# Altium PCB AVCI_Mk1.PcbDoc (part 2 of 4)
Units mm, origin at the board's own origin, x right, y up, seen from the top; angles counter-clockwise.
Board outline 166.62 x 63.88 mm, 4 copper layers (Top Layer, GND, Power, Bottom Layer), stack 1.586 mm thick; 240 components, 214 nets, 1045 pads, 618 vias.
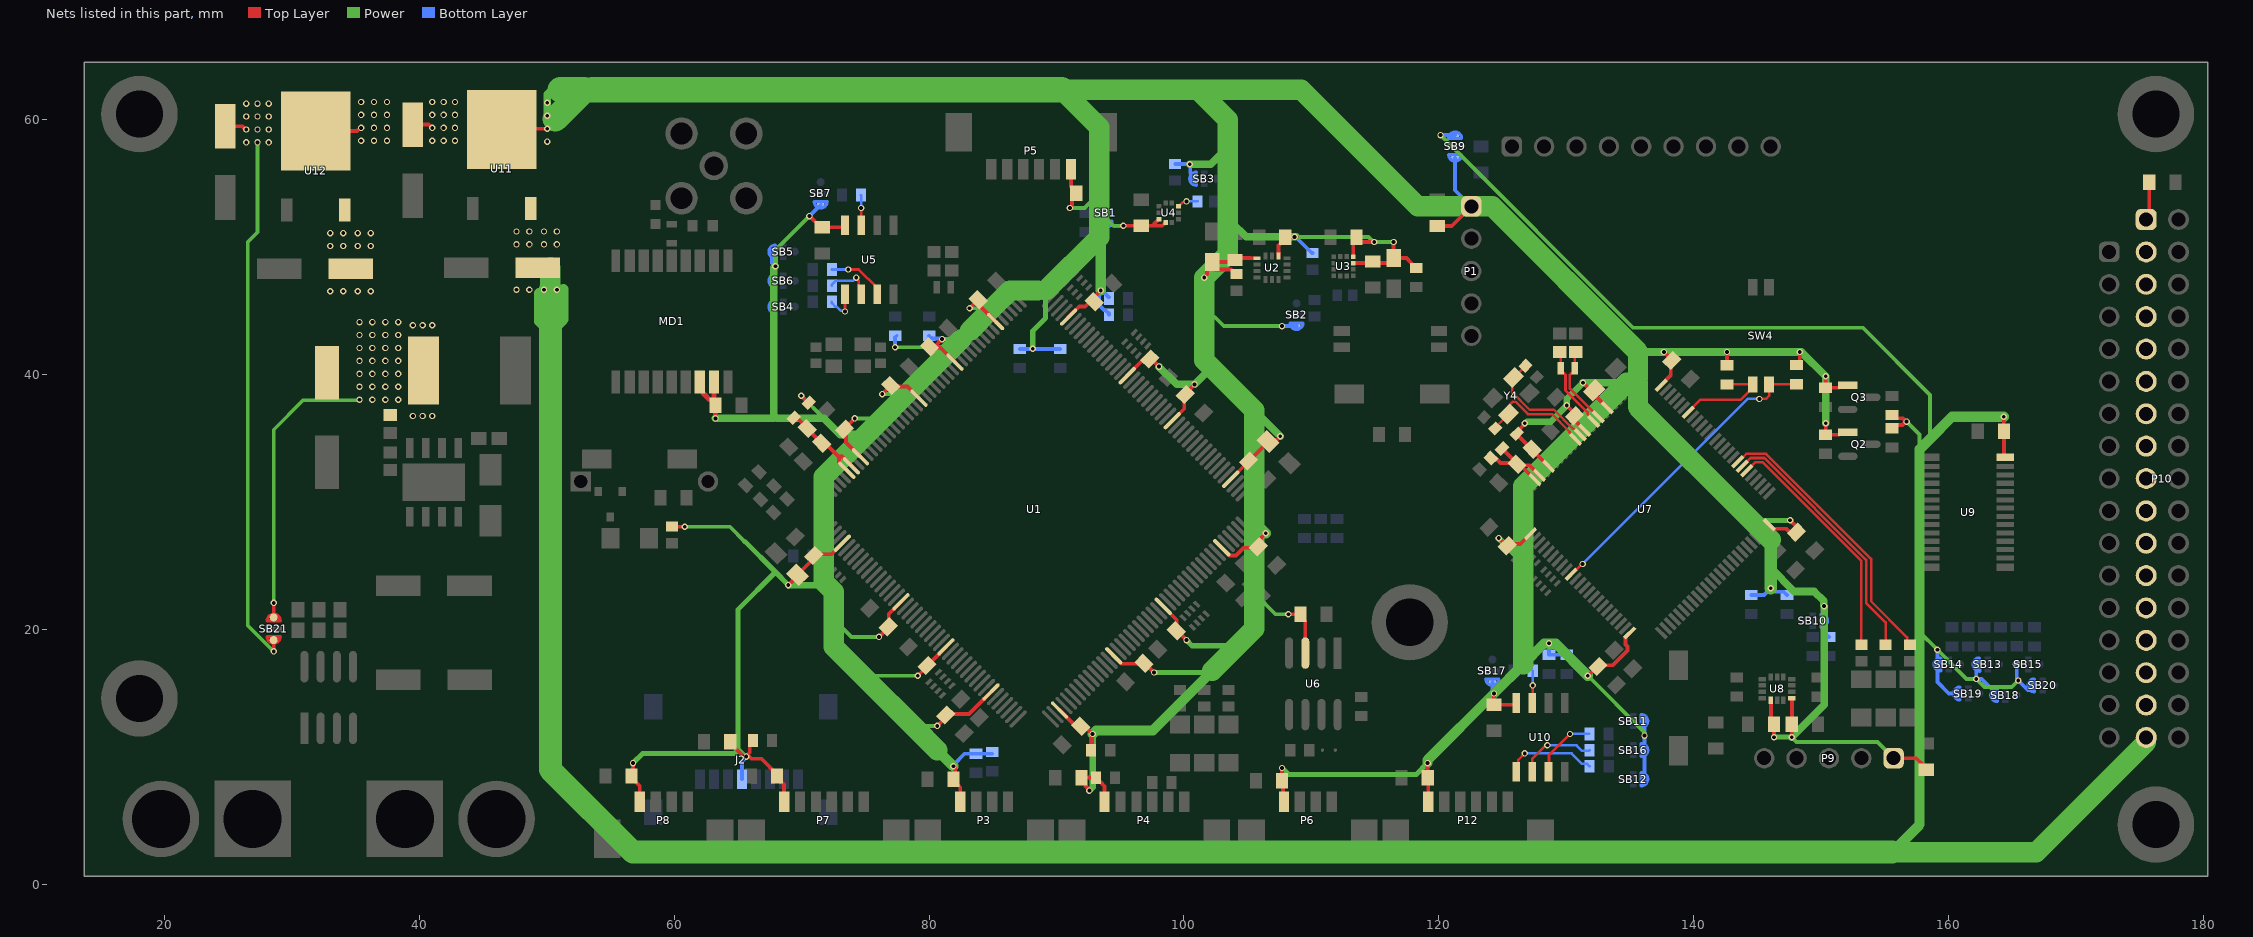
[diagram p4: the nets of this part, all layers, seen from the top]

## Footprints (in the part's own frame and the unit in brackets; to place one, negate y for a bottom-side part, rotate by r counter-clockwise, add the part's x,y. Pads: shape width x height; smd on the part's side, far side on the other; paste and mask are expansions set on the pad) (continued)
WE-LHMI_8040 [mm] "SMT Power Inductor, 2-Leads, body 9.2x8.5mm"
  rect 2.42x5.33 smd: 1(-3.62,0) 2(3.62,0)
  Top Layer keep-out region: -2.31,4.25 2.31,4.25 2.31,-4.25 -2.31,-4.25
  silkscreen extent -5.84,-4.25 4.6,4.25, body extent -4.72,-4.1 4.73,4.1, height 4
WE-MK_0603_L1.6W0.8H0.8 [mm] "SMD Multilayer Ceramic Inductor, body 1.60x0.80mm"
  rect 0.8x0.9 smd: 1(-0.8,0) 2(0.8,0)
  body extent -0.8,-0.4 0.8,0.4, height 0.8
WL-SMCW_1206_150120xx75000 [mm] "SMD Mono-color Chip LED, body 3.2x1.6mm"
  rect 1.4x1.6 smd: 1(-1.5,0) 2(1.5,0)
  silkscreen extent -1.52,-5.08 -1.02,-4.88, body extent -1.6,-0.8 1.6,0.8, height 0.68
WRIS-KSKE_0603_L1.6W0.8H0.45 [mm] "Thick Film Resistors, SMT, body size 1.6x0.8mm"
  rect 0.5x0.8 smd: 1(-0.75,0) 2(0.75,0)
  body extent -0.8,-0.4 0.8,0.4, height 0.45

## Part data
BT1: library part CMP-05417-000010-1, "BATTERY LITHIUM 3V COIN 12.5MM", Manufacturer=Panasonic, Temperature="-30°C to +60°C", Temperature Range High=+60°C, Temperature Range Low=-30°C, Automotive=No, Category=Batt, ComponentLink2Description=Datasheet, ComponentLink2URL=https://industrial.panasonic.com/cdbs/www-data/pdf2/AAA4000/AAA4000D138.PDF, Device Class L1="Passive Components", Device Class L2=unset, Device Class L3=unset, Digikey Description="BATTERY LITHIUM 3V COIN 12.5MM", Height=5.5mm, Manufacturer Part Number=CR-1220/HFN, Mouser Description="CR1220 Series Ø 12.5 mm 3 V 35 mAh Non-Rechargeable Lithium Coin Cell Battery", Octopart=https://octopart.com/cr-1220%2Fhfn-panasonic-13183313, Package=CR-1220/HFN, Standoff Height=2.9mm
C1 C2 C57 C58: library part CMP-2006-02592-1, Manufacturer=Murata, Part Number=GRM1885C1H100JA01D
C3 C4 C7 C50 C51: library part CMP-2000-07546-2, "Cap Ceramic 100nF 50V X7R 10% Pad SMD 0603 +125°C Automotive T/R", Capacitance=100nF, Case Code (Metric)=1608, Case Code (Imperial)=0603, Dielectric=X7R, Max Operating Temperature=125°C, Min Operating Temperature=-55°C, Package Quantity=1, Ratings=AEC-Q200, Tolerance=10%, Voltage=50V, Case/Package=0603, Composition=Ceramic, Depth=0.8mm, Height=0.8mm, Lead Free="Lead Free", Length=1.6mm, Mount="Surface Mount", Packaging="Tape and Reel", Radiation Hardening=No, REACH SVHC="No SVHC", Termination=SMD/SMT, Thickness=0.035inch, Voltage Rating=50V, Voltage Rating (DC)=50V, Weight=7.1E-05oz, Width=0.8mm
C5 C6 C11 C12 C13 C14 C15 C16 C17 C18 C19 C21 C22 C23 C24 C25 C26 C27 C31 C32 C33 C34 C35 C36 C37 C39 C40 C41 C42 C43 C44 C45 C46 C47 C48 C49 C54 C55 C60 C61 C62 C63 C64 C65 C66 C67 C68 C69 C70 C71 C72: library part CMP-2000-07546-2, "Cap Ceramic 100nF 50V X7R 10% Pad SMD 0603 +125°C Automotive T/R", Case Code (Metric)=1608, Case Code (Imperial)=0603, Dielectric=X7R, Max Operating Temperature=125°C, Min Operating Temperature=-55°C, Package Quantity=1, Ratings=AEC-Q200, Tolerance=10%, Voltage=50V, Capacitance=100nF, Case/Package=0603, Composition=Ceramic, Depth=0.8mm, Height=0.8mm, Lead Free="Lead Free", Length=1.6mm, Mount="Surface Mount", Packaging="Tape and Reel", Radiation Hardening=No, REACH SVHC="No SVHC", Termination=SMD/SMT, Thickness=0.035inch, Voltage Rating=50V, Voltage Rating (DC)=50V, Weight=7.1E-05oz, Width=0.8mm
C8 C9 C52 C53: library part CMP-2000-04945-1, "Chip Capacitor, 22 pF, +/- 5%, 50 V, -55 to 125 degC, 0603 (1608 Metric), RoHS, Tape and Reel", Case Size/Dimension=0603, Dielectric=C0G, Manufacturer=Murata, Package Description="2-Pin Surface Mount Device, Body 1.6 x 0.8 mm", Package Reference=603, Rated Voltage=50V, Tolerance (%)=±5%, Capacitance=22pF, Datasheet URL=https://datasheet.ciiva.com/11786/0900766b807a1cab-11786398.pdf, Datasheet Version=Jul-06, Manufacturer URL=http://www.murata.com/
C10 C20 C29 C30 C59: library part CMP-03017-000032-1, "CAP TANT 10UF 10% 6.3V 1206", Case Code (Metric)=3216, Case Code (Imperial)=1206, Dielectric Material=Tantalum, ESR (Equivalent Series Resistance)=4R, Leakage Current=600nA, Max Operating Temperature=125°C, Min Operating Temperature=-55°C, Package Quantity=1, Tolerance=10%, Voltage=6.3V, Capacitance=10uF, Case/Package=1206, Depth=1.6mm, Dissipation Factor=6%, Features="General Purpose", Height=1.6mm, Height - Seated (Max)=0.071inch, Lead Free="Lead Free", Lead Pitch=1.2mm, Length=3.2mm, Life (Hours)=2000Hour, Mount="Surface Mount", Number of Pins=2, Packaging="Tape and Reel", Polarity=Polar, Radiation Hardening=No, REACH SVHC="No SVHC", RoHS Compliant=Yes, Termination=SMD/SMT, Voltage Rating=6.3V, Voltage Rating (DC)=6.3V, Width=1.6mm
C28: library part CMP-2006-03146-2, "CAP CER 0.22UF 25V 10% X7R 0603", Capacitance="0.22 μF", Manufacturer=KEMET, Manufacturer Part Number=C0603C224K3RACTU, Package=C0603C-CF, Temperature="-55°C to +125°C", Temperature Characteristic=X7R, Temperature Coefficient=30ppm/°C, Temperature Range High=+125°C, Temperature Range Low=-55°C, Tolerance=0.1, Voltage Rating="25 V", Automotive=Yes, Automotive Grade="Grade 1", Category=Cap, ComponentLink2Description=Datasheet, ComponentLink2URL=https://api.kemet.com/component-edge/download/datasheet/C0603C100J5GACAUTO.pdf, Device Class L1="Passive Components", Device Class L2=Capacitors, Device Class L3="Ceramic Capacitors", Digikey Description="CAP CER 0.22UF 25V 10% X7R 0603", Height=0.87mm, Lead Free=Yes, Material=Ceramic, Mouser Description="Multilayer Ceramic Capacitors MLCC - SMD/SMT 25volts 0.22uF X7R 10%", Octopart=https://octopart.com/c0603c224k3ractu-kemet-129141, RoHS=TRUE
C38: library part CMP-03913-53914774-1, "885012206065 Cap Cer 10000PF 25V X7R 0603", Capacitance=10nF, Case Code (Metric)=1608, Case Code (Imperial)=0603, Dielectric=X7R, Max Operating Temperature=125°C, Min Operating Temperature=-55°C, Tolerance=10%, Voltage Rating=25V, Insulation Resistance=10GΩ, Case/Package=0603, Height=800µm, Length=1.6mm, Mount="Surface Mount", NexarPartId=53914774, Packaging="Tape & Reel (TR)", REACH SVHC=Unknown, RoHS=Compliant, Thickness=939.8µm, Voltage Rating (DC)=25V, Width=800µm
C56: library part CMP-2006-03713-1, Manufacturer=Kemet, Part Number=C0603C105K3RACTU
C73 C81 C82 C83: library part CMP-2006-02792-2, "Chip Multilayer Ceramic Capacitors for General Purpose, 0603, 10uF, X5R, 15%, 20%, 6.3V", Capacitance=10uF, Case Code (Metric)=1608, Case Code (Imperial)=0603, Dielectric=X5R, Max Operating Temperature=85°C, Min Operating Temperature=-55°C, Package Quantity=4000, Tolerance=20%, Voltage=6.3V, Case/Package=0603, Depth=0.8mm, Height=0.8mm, Lead Free="Lead Free", Length=1.6mm, Material=Ceramic, Mount="Surface Mount", Packaging="Tape and Reel", Radiation Hardening=No, REACH SVHC="No SVHC", Termination=SMD/SMT, Thickness=0.035inch, Voltage Rating=6.3V, Voltage Rating (DC)=6.3V, Width=0.031inch
C74: library part CMP-03913-54202498-1, "865080553014 Alum. Electrolytic Cap 220µF 35V 8mmV-Chip WCAP-ASLI; Lifetime 2000h +105°C", Capacitance=220µF, Case/Package=Radial, ESR (Equivalent Series Resistance)=131.909mΩ, Leakage Current=77µA, Max Operating Temperature=105°C, Min Operating Temperature=-55°C, Ripple Current=570mA, Tolerance=20%, Voltage Rating=35V, Insulation Resistance=454.545kΩ, Diameter=8mm, Height=10.5mm, Height - Seated (Max)=10.4902mm, Length=10.5mm, Life (Hours)=2000hours, Mount="Surface Mount", NexarPartId=54202498, Packaging="Tape & Reel (TR)", Polarity=Polar, REACH SVHC=Unknown, Ripple Current (AC)=570mA, RoHS=Compliant, Voltage Rating (DC)=35V, Width=8.3mm, Impedance=210mΩ
C75 C76: library part CMP-03913-89977562-1, "875105645005 Cap, 47Uf, 35V, Alu Elec Smd, Polymer Rohs Compliant: Yes", Capacitance=47µF, ESR (Equivalent Series Resistance)=50mΩ, Leakage Current=600µA, Ripple Current=1.6A, Voltage Rating=35V, Diameter=6.3mm, Length=7.7mm, NexarPartId=89977562, Width=6.6mm
C77 C78 C79 C80: library part CMP-03913-53914528-2, "865060643005 WCAP-ASLL Aluminum Electrolytic Capacitors", Capacitance=10µF, Case/Package=Radial, ESR (Equivalent Series Resistance)=1.13596Ω, Leakage Current=5µA, Max Operating Temperature=105°C, Min Operating Temperature=-55°C, Ripple Current=165mA, Tolerance=20%, Voltage Rating=50V, Insulation Resistance=10MΩ, Diameter=6.3mm, Height=5.5mm, Height - Seated (Max)=5.5118mm, Length=5.5mm, Life (Hours)=2000hours, Mount="Surface Mount", NexarPartId=53914528, Polarity=Polar, REACH SVHC=Unknown, Ripple Current (AC)=165mA, RoHS=Compliant, Voltage Rating (DC)=50V, Impedance=1.4Ω
D1 D2 D3 D4 D5 D6 D7: library part CMP-1426-00017-3, "Led, Red, 630 Nm, 1.9 V, 30 Ma, 60 Mcd Rohs Compliant: Yes", Case Code (Metric)=3216, Case Code (Imperial)=1206, Color=Red, Forward Current=100mA, Forward Voltage=1.9V, Max Operating Temperature=85°C, Max Reverse Voltage (DC)=5V, Min Operating Temperature=-40°C, Test Current=20mA, Case/Package=1206, Dominant Wavelength=630nm, Height=680µm, Length=3.2mm, Lens Style="Clear, Rectangular", Luminous Intensity=60mcd, Mount="Surface Mount", Packaging="Tape and Reel", Peak Wavelength=645nm, REACH SVHC=Unknown, RoHS=Compliant, Viewing Angle=140°, Wavelength=630nm, Width=1.6mm
D8: library part CMP-1667-00003-3, "DIODE SCHOTTKY 40V 3A SMA", Average Rectified Current=3A, Capacitance=250pF, Case/Package=SMA, Forward Voltage=500mV, Max Forward Surge Current (Ifsm)=80A, Max Operating Temperature=125°C, Max Repetitive Reverse Voltage (Vrrm)=40V, Max Reverse Current=500uA, Min Operating Temperature=-55°C, Package Quantity=5000, Contact Plating=Tin, Current=3A, Current Rating=3A, Element Configuration=Single, Forward Current=3A, Height=2.3mm, Lead Free="Lead Free", Length=4.6mm, Max Reverse Voltage (DC)=40V, Mount="Surface Mount", Number of Pins=2, Output Current=3A, Packaging="Tape and Reel", Peak Non-Repetitive Surge Current=80A, Polarity=Standard, Radiation Hardening=No, REACH SVHC="No SVHC", RoHS Compliant=Yes, Series=-, Termination=SMD/SMT, Voltage=40V, Voltage Rating (DC)=40V, Weight=0.002258oz, Width=2.92mm
FB1 FB2: library part CMP-0220-00181-3, Case Code (Metric)=1608, Case Code (Imperial)=0603, Current Rating=1A, DC Resistance (DCR)=200mΩ, Max Operating Temperature=125°C, Min Operating Temperature=-55°C, Test Frequency=100MHz, Tolerance=25%, Inductance=360mH, Case/Package=0603, Core Material=Ferrite, Depth=800µm, Height=800µm, Lead Free="Lead Free", Length=1.6mm, Material=Ferrite, Max Current Rating=1A, Max DC Current=1A, Mount="Surface Mount", NexarPartId=7864500, Number of Lines=1, Packaging="Cut Tape (CT)", REACH SVHC=Unknown, Resistance=200mΩ, RMS Current (Irms)=1A, RoHS=Compliant, Series Resistance=200mΩ, Termination=SMD/SMT, Weight=3.997283mg, Width=800µm, Impedance=600Ω
J1: library part CMP-207975-000002-2, "SMA PCB THT JACK STRAIGHT WR-SMA", Dielectric Material=PTFE, Frequency=18GHz, Max Operating Temperature=165°C, Min Operating Temperature=-65°C, Voltage Rating=335V, Insulation Resistance=5GΩ, Connector Type=SMA, Contact Material="Gold, Nickel", Height=9.76mm, NexarPartId=97004423, Number of Contacts=1, Orientation=Straight, Impedance=50Ω, Insertion Loss (dB)=0.14dB, Insulation Material=PTFE
J2: library part CMP-1502-00164-2, Color=Black, Current Rating=500mA, Max Operating Temperature=85°C, Min Operating Temperature=-25°C, Operating Supply Voltage=100V, Insulation Resistance=1GΩ, Connector Type=Connector, Contact Material="Copper, Gold", Contact Plating=Gold, Height=1.75mm, Length=14.5mm, Memory Type=FLASH, Mount="Surface Mount", NexarPartId=22866686, Number of Contacts=8, Number of Pins=8, Number of Positions=8, Packaging="Tape and Reel", REACH SVHC=Unknown, RoHS=Compliant, Voltage Rating=100V, Width=13.5mm
J3: "Plug; DC supply; XT60; male; PIN: 2; for cable; soldered; 30A; 500V", Package=Package, Check_prices=https://www.snapeda.com/parts/XT60-M/AMASS/view-part/?ref=eda, Component Type=Source, MF=AMASS, MP=XT60-M, SnapEDA_Link=https://www.snapeda.com/parts/XT60-M/AMASS/view-part/?ref=snap
J4: library part XT60-M, "Plug; DC supply; XT60; male; PIN: 2; for cable; soldered; 30A; 500V", Package=Package, Check_prices=https://www.snapeda.com/parts/XT60-M/AMASS/view-part/?ref=eda, MF=AMASS, MP=XT60-M, SnapEDA_Link=https://www.snapeda.com/parts/XT60-M/AMASS/view-part/?ref=snap
L1: library part CMP-03913-110288215-1, "7447860127 Inductor, Multilayer, 27Nh, 0.3A, 0603 Rohs Compliant: Yes", Ambient Temperature Range High=105°C, Ambient Temperature Range Low=-55°C, Current Rating=500mA, Max Operating Temperature=125°C, Inductance=27nH, Height=800µm, Length=1.6mm, Min Operating Temperature=-55°C, NexarPartId=110288215, RoHS=Compliant, Width=800µm
L2: library part CMP-03913-61645318-4, "74437358100 Power Inductor, 10Uh, Shielded, 4.5A Rohs Compliant: Yes", Ambient Temperature Range High=85°C, Ambient Temperature Range Low=-40°C, Case/Package=Nonstandard, Current Rating=4.5A, DC Resistance (DCR)=48.1mΩ, Max Operating Temperature=125°C, Saturation Current=8.3A, Self Resonant Frequency=9MHz, Test Frequency=100kHz, Tolerance=20%, Inductance=10µH, Composition=Wirewound, Core Material=Ferrite, Height=4mm, Height - Seated (Max)=3.9878mm, Length=9.7mm, Min Operating Temperature=-40°C, Mount="Surface Mount", NexarPartId=61645318, Packaging="Tape & Reel (TR)", RoHS=Compliant, Shielding=Shielded, Width=8.5mm
MD1: library part CMP-207130-000026-1, "GNSS LCC RX, ROM, TCXO, LNA, SAW"
MP1 MP2 MP3 MP4 MP5: library part CMP-03913-118042550-1, "9774005151R WA-SMSI SMT Steel Spacer, M2.5 Internal non Stop", Max Operating Temperature=150°C, Min Operating Temperature=-55°C, Length=500µm, Material=Steel, NexarPartId=118042550, Packaging="Tape and Reel", RoHS=Compliant
P1 P9: library part CMP-1502-01068-3, Color=Black, Contact Resistance=20mΩ, Current Rating=3A, Max Operating Temperature=105°C, Min Operating Temperature=-40°C, Operating Supply Voltage=250V, Connector Type="Male Pin", Contact Material=Copper, Contact Mating Length=5.9944mm, Contact Plating=Gold, Gender=Male, Height=8.89mm, Lead Free="Lead Free", Lead Pitch=2.54mm, Mount="Through Hole", NexarPartId=32855526, Number of Contacts=5, Number of Pins=5, Number of Positions=5, Number of Rows=1, Orientation=Vertical, Packaging=Bulk, Pitch=2.54mm, REACH SVHC=Unknown, RoHS=Compliant, Termination=Solder, Voltage Rating=250V
P2: library part CMP-1502-01080-3, Color=Black, Contact Resistance=20mΩ, Current Rating=3A, Operating Supply Voltage=250V, Connector Type="Male Pin", Contact Material=Copper, Contact Mating Length=5.9944mm, Contact Plating=Gold, Gender=Male, Lead Pitch=2.54mm, Mount="Through Hole", NexarPartId=32855536, Number of Contacts=9, Number of Pins=9, Number of Positions=9, Number of Rows=1, Orientation=Vertical, Packaging=Bulk, Pitch=2.54mm, REACH SVHC=Unknown, RoHS=Compliant, Termination=Solder
P3 P6 P8: library part CMP-1502-00773-2, Color="Beige, White", Contact Resistance=20mΩ, Current Rating=1A, Flammability Rating="UL94 V-0", Max Operating Temperature=85°C, Min Operating Temperature=-40°C, Operating Supply Voltage=125V, Insulation Resistance=100MΩ, Connector Type="Male Pin", Contact Gender=Male, Contact Material=Copper, Contact Mating Length=2.1336mm, Contact Plating=Tin, Gender=Male, Height=4.2mm, Housing Material=Nylon, Lead Pitch=1.25mm, Length=9.75mm, Mount="Surface Mount", NexarPartId=18818278, Number of Contacts=4, Number of Pins=4, Number of Positions=4, Number of Rows=1, Packaging="Tape and Reel", Pitch=1.25mm, REACH SVHC=Unknown, RoHS=Compliant, Termination=SMD/SMT, Voltage Rating=125V, Width=9.75mm, Insulation=Insulated
P4 P5 P7 P12: library part CMP-1502-00775-2, Current Rating=1A, Max Operating Temperature=85°C, Min Operating Temperature=-40°C, Insulation Resistance=100MΩ, Contact Plating=Tin, Gender=Male, Length=12.25mm, NexarPartId=116856464, Number of Pins=6, Packaging="Tape and Reel", Pitch=1.25mm, RoHS=Compliant
P10: library part CMP-1502-01127-3, Color=Black, Contact Resistance=20mΩ, Current Rating=3A, Operating Supply Voltage=250V, Connector Type="Male Pin", Contact Material=Copper, Contact Mating Length=5.9944mm, Contact Plating=Gold, Gender=Male, Lead Pitch=2.54mm, Mount="Through Hole", NexarPartId=32855572, Number of Contacts=34, Number of Pins=34, Number of Positions=34, Number of Rows=2, Orientation=Vertical, Packaging=Bulk, Pitch=2.54mm, REACH SVHC=Unknown, RoHS=Compliant, Row Spacing=2.54mm, Termination=Solder
P11: library part CMP-1502-01095-4, Color=Black, Contact Resistance=20mΩ, Current Rating=3A, Max Operating Temperature=105°C, Min Operating Temperature=-40°C, Operating Supply Voltage=250V, Connector Type="Male Pin", Contact Material=Copper, Contact Mating Length=5.9944mm, Contact Plating=Gold, Gender=Male, Height=8.89mm, Lead Pitch=2.54mm, Mount="Through Hole", NexarPartId=32855548, Number of Contacts=16, Number of Pins=16, Number of Positions=16, Number of Rows=1, Orientation=Vertical, Packaging=Bulk, Pitch=2.54mm, REACH SVHC=Unknown, RoHS=Compliant, Termination=Solder, Voltage Rating=250V
Q1: library part CMP-11424-78740999-1, "PDTC114ET,215 Transistor NPN - Pre-Biased, SOT-23 (TO-236AB) 50V 100mA250mW Surface Mount", Ambient Temperature Range High=150°C, Collector Base Voltage (VCBO)=50V, Collector Emitter Saturation Voltage=150mV, Emitter Base Voltage (VEBO)=10V, Manufacturer Lifecycle Status="RELEASED FOR SUPPLY", Max Collector Current=100mA, Power Dissipation=250mW, Collector Emitter Voltage (VCEO)=50V, Height=1.1mm, hFE Min=30, Lifecycle Status=Production, Max Junction Temperature (Tj)=150°C, NexarPartId=78740999, Number of Elements=1, Number of Pins=3, Packaging=Digi-Reel®, Polarity=NPN, RoHS=Non-Compliant, Schedule B="8541210080, 8541210080"
Q2 Q3: library part CMP-07173-000101-1, "MOSFET N-CH 50V 220MA SOT-23", Case/Package=SOT-23, Continuous Drain Current (ID)=220mA, Drain to Source Breakdown Voltage=50V, Drain to Source Resistance=3.5R, Gate to Source Voltage (Vgs)=20V, Max Operating Temperature=150°C, Max Power Dissipation=360mW, Min Operating Temperature=-55°C, On-State Resistance=6R, Package Quantity=1, Threshold Voltage=1.3V, Input Capacitance=27pF, Contact Plating=Tin, Current Rating=220mA, Drain to Source Voltage (Vdss)=50V, Dual Supply Voltage=50V, Element Configuration=Single, Fall Time=9ns, Height=0.93mm, Lead Free="Lead Free", Length=2.92mm, Mount="Surface Mount", Nominal Vgs=1.3V, Number of Elements=1, Number of Pins=3, Packaging="Tape and Reel", Power Dissipation=360mW, Radiation Hardening=No, Rds On Max=3.5R, REACH SVHC="No SVHC", Rise Time=9ns, Termination=SMD/SMT, Turn-Off Delay Time=20ns, Turn-On Delay Time=2.5ns, Voltage Rating (DC)=50V, Weight=0.03g, Width=1.3mm
R1 R5 R13 R14 R16 R45 R46: library part CMP-2000-06066-1, "Chip Resistor Array, 22 Ohm, +/- 5%, -55 to 125 degC, 8-Pin SMD, RoHS, Tape and Reel", Manufacturer=Bourns, Number of Resistors=4, Package Description="8-Pin Surface Mount Device, Body 2 x 1 mm, Pitch 0.5 mm", Package Reference=CAT10, Package Type=SMT, Power, Rating=0.125W, Resistance=22Ohms, Temperature, Coefficent=±250, Temperature, Operating=-55to+125°C, Tolerance=±5%, Brand/Series=CAT10Series, Circuit=IsolatedArray, Datasheet URL=http://www.bourns.com/docs/Product-Datasheets/CAT10.pdf, Datasheet Version=01/2015, Dimensions=0.44x0.039x0.022(2x1x0.55)LxWxHin.(mm), Manufacturer URL=http://www.bourns.com/, Mounting Technology=SurfaceMount, Mounting Type=SurfaceMount, Number of Terminals=8
R2 R3 R4 R6 R7 R8 R9 R10 R11 R12 R15 R20 R21 R22 R23 R24 R25 R26 R27 R28 R29 R30 R38 R39 R40 R41 R42 R43 R44 R47 R48 R49 R50 R51 R52 R53 R54 R58 R59 R60 R61 R62 R63 R64 R65 R66 R67 R68 R69 R70 R71 R72 R73: library part CMP-2100-03667-1, "Chip Resistor, 0 Ohm, +/- 5%, 0.1 W, -55 to 155 degC, 0603 (1608 Metric), RoHS, Tape and Reel", Case Code (Metric)=1608, Case Code (Imperial)=0603, Manufacturer=Yageo, Max Operating Temperature=155degC, Min Operating Temperature=-55degC, Package Description="2-Pin Surface Mount Device, Body 1.6 x 0.8 mm", Package Quantity=5000, Power Rating=100mW, Resistance=0mOhm, Temperature Coefficient=200ppm/degreesC, Tolerance=5%, Voltage Rating=50V, Case/Package=0603, Composition=ThickFilm, Contact Plating=Tin, Datasheet URL=http://www.yageo.com/NewPortal/yageodocoutput?fileName=/pdf/R-Chip/PYu-RC_Group_51_RoHS_L_5.pdf, Datasheet Version="Rev. 5, 10/2016", Depth=0.8mm, Height=0.45mm, Lead Free=LeadFree, Length=1.6mm, Manufacturer URL=http://www.yageo.com/, Military Standard=Not, Number of Pins=2, Package Reference=0603, Packaging=TapeandReel, Radiation Hardening=No, REACH SVHC=NoSVHC, RoHSCompliant=true, Termination=SMD/SMT, Voltage Rating (DC)=50V, Width=0.8mm
R17 R18 R19 R31 R32 R33 R34 R35 R36 R55 R56 R57: library part CMP-2000-03816-5, "Chip Resistor, 0 Ohm, Jumper, 100 mW, -55 to 155 degC, 0603 (1608 Metric), RoHS, Tape and Reel", Manufacturer="Vishay Semiconductor", Max Operating Temperature="155 degC", Min Operating Temperature="-55 degC", Package Quantity=5000, Voltage Rating="75 V", ComponentLink1Description="Manufacturer URL", ComponentLink1URL=http://www.vishay.com/, ComponentLink2Description=Datasheet, ComponentLink2URL=http://www.vishay.com/docs/20035/dcrcwe3.pdf, DatasheetVersion=06/2012, Height="0.45 mm", Length="1.55 mm", Mount="Surface Mount", Mounting Technology="Surface Mount", PackageDescription="2-Pin Surface Mount Device, Body 1.575 x 0.85 mm", PackageReference=0603, Packaging="Tape and Reel", Pins=2, REACH SVHC=Unknown, RoHSCompliant=true
R37: library part CMP-207829-000001-2, "WRIS-KSKE Thick Film Resistors", Case/Package=0603, Current Rating=150mA, Max Operating Temperature=155°C, Min Operating Temperature=-55°C, Power Rating=250mW, Resistance=10Ω, Temperature Coefficient=100ppm/°C, Tolerance=1%, Voltage Rating=1.5811V, Composition="Thick Film", Height=450µm, Length=1.6mm, NexarPartId=107086665, RoHS=Compliant, Width=800µm
R74 R75: library part CMP-2000-00869-1, Manufacturer=Panasonic, Part Number=ERT-J1VR103J
SW1 SW4: library part CMP-1433-00002-2, Color=Black, Contact Current Rating=25mA, Contact Resistance=50mΩ, Max Operating Temperature=85°C, Max Voltage Rating (DC)=24V, Min Operating Temperature=-40°C, Insulation Resistance=100MΩ, Body Material=Polyphenylene, Contact Material=Gold, Contact Plating=Gold, Current Rating=25mA, Electrical Life=1kcycles, Height=2mm, Lead Free="Lead Free", Length=3.71mm, Mechanical Life=2kcycles, Mount="Surface Mount", NexarPartId=19787098, Number of Circuits=2, Number of Pins=2, Number of Positions=2, Packaging="Tape and Reel", Pitch=1.27mm, REACH SVHC="No SVHC", RoHS=Compliant, Termination="Gull Wing", Throw Configuration=SPST, Voltage Rating=24V, Voltage Rating (DC)=24V, Washable=Yes, Width=5.6mm
SW2 SW3 SW5: library part CMP-1459-00005-3, "Switch Tactile Spst-no 0.05A 12V", Contact Current Rating=50mA, Contact Resistance=100mΩ, Max Operating Temperature=85°C, Min Operating Temperature=-40°C, Operating Force=160N, Voltage Rating=12V, Insulation Resistance=100MΩ, Contact Plating=Silver, Current Rating=50mA, Height=4.3mm, Packaging="Tape and Reel", RoHS=Compliant, Width=6mm
U1: library part CMP-1570-00009-1, "ARM-Based Cortex-M7 32 Bit MCU+FPU, 462 DMIPS, 1024 kB Flash, 320 kB RAM, 140 I/Os, -40 to 85 degC, 176-Pin LQFP, Halogen-Free, Tray", Clock Frequency Max="216 MHz", PartNumber=STM32F746IG, Supply Voltage Max="3.6 V", Supply Voltage Min="1.7 V", Temperature Max="85 degC", Temperature Min="-40 degC", ComponentLink1Description="Manufacturer URL", ComponentLink1URL=http://www.st.com/web/en/home.html, ComponentLink2Description=Datasheet, ComponentLink2URL=http://www.st.com/st-web-ui/static/active/en/resource/technical/document/datasheet/DM00166116.pdf, ComponentLink3Description="Package Specification", ComponentLink3URL=http://www.st.com/st-web-ui/static/active/en/resource/technical/document/datasheet/DM00035129.pdf, Data RAM Size="320 KByte", DatasheetVersion="Rev. 1", L1 Cache Data Memory="4 KByte", L1 Cache Instruction Memory="4 KByte", Mounting Technology="Surface Mount", Number of I/Os=140, PackageDescription="176-Pin Low Profile Quad Flat Package, 24 x 24 mm Body, 0.5 mm Pitch", Packing=Tray, Program Memory Size="1024 KByte"
U2: "No Description Available", Mfr_Name=STMicroelectronics, RefDes=RefDes, Type="Motion Sensors"
U3: library part CMP-12173-000003-1, "SENSOR MR I2C/SPI 12LGA", Case/Package=LGA, Max Operating Temperature=85°C, Min Operating Temperature=-40°C, Axis="X, Y, Z", Number of Pins=12, Output Type=SPI, Packaging="Cut Tape", Resolution=16b, RoHS Compliant=Yes, Sensing Method=Magnetoresistive
U4: library part CMP-12182-000004-1, "MEMS NANO PRESSURE SENSOR: 260-1", Manufacturer=STMicroelectronics, Max Supply Voltage=3.6V, Min Supply Voltage=1.7V, Operating Supply Current=3-12uA, Package=HLGA-10L-8479831, Temperature="-40°C to +85°C", Temperature Range High=+85°C, Temperature Range Low=-40°C, Automotive=No, Category=IC, ComponentLink2Description=Datasheet, ComponentLink2URL=https://www.st.com/resource/en/datasheet/lps22hb.pdf, Device Class L1=Sensors, Device Class L2="Pressure Sensors", Device Class L3=unset, Digikey Description="MEMS NANO PRESSURE SENSOR: 260-1", Footprint Url=https://www.st.com/content/ccc/resource/technical/document/technical_note/73/17/9c/16/dd/96/4a/01/CD00134799.pdf/files/CD00134799.pdf/jcr:content/translations/en.CD00134799.pdf, Height=0.8mm, Lead Free=Yes, Manufacturer Part Number=LPS22HBTR, Octopart=https://octopart.com/lps22hbtr-stmicroelectronics-51851131, Port Style="No Port", RoHS=TRUE, Sensor Output=I2C,SPI
U5 U10: library part CMP-0159-00199-2, "IC EEPROM 64K I2C 400KHZ 8SOIC", Ambient Temperature Range High=+85°C, Ambient Temperature Range Low=-40°C, Frequency=400kHz, Manufacturer="Microchip Technology", Max Supply Voltage=5.5V, Min Supply Voltage=2.5V, Nominal Supply Current=0.05-100uA, Package=C04-057-SN, Temperature="-40°C to +85°C", Access Time=900ns, Automotive=No, Category=IC, ComponentLink2Description=Datasheet, ComponentLink2URL=http://ww1.microchip.com/downloads/en/DeviceDoc/21189T.pdf, Device Class L1="Integrated Circuits (ICs)", Device Class L2=Memory, Device Class L3=EEPROM, Digikey Description="IC EEPROM 64K I2C 400KHZ 8SOIC", Footprint 0 Description="SOIC, 8-Leads, Body 4.9x3.8mm, Pitch 1.27mm, IPC Medium Density", Footprint 1 Description="SOIC, 8-Leads, Body 4.9x3.8mm, Pitch 1.27mm, IPC High Density", Footprint 2 Description="SOIC, 8-Leads, Body 4.9x3.8mm, Pitch 1.27mm, IPC Low Density", Footprint Url=http://ww1.microchip.com/downloads/en/DeviceDoc/08L_SOIC_150_3dot9mm_SN_C04-00057e.pdf, Height=1.75mm, Lead Free=Yes, Manufacturer Part Number=24LC64T-I/SN, Memory Size=64Kbits, Memory Type=EEPROM, Mouser Description="EEPROM 8kx8 - 2.5V", Octopart=https://octopart.com/24lc64t-i%2Fsn-microchip-451854, RoHS=TRUE, Standoff Height=0.1mm, Temperature Range High=+85°C, Temperature Range Low=-40°C, Interface=I2C,2-Wire, Ipc Land Pattern Name=SOIC127P600X175-8